# KiCad board sr99-stm32-hotswap.kicad_pcb (continued)
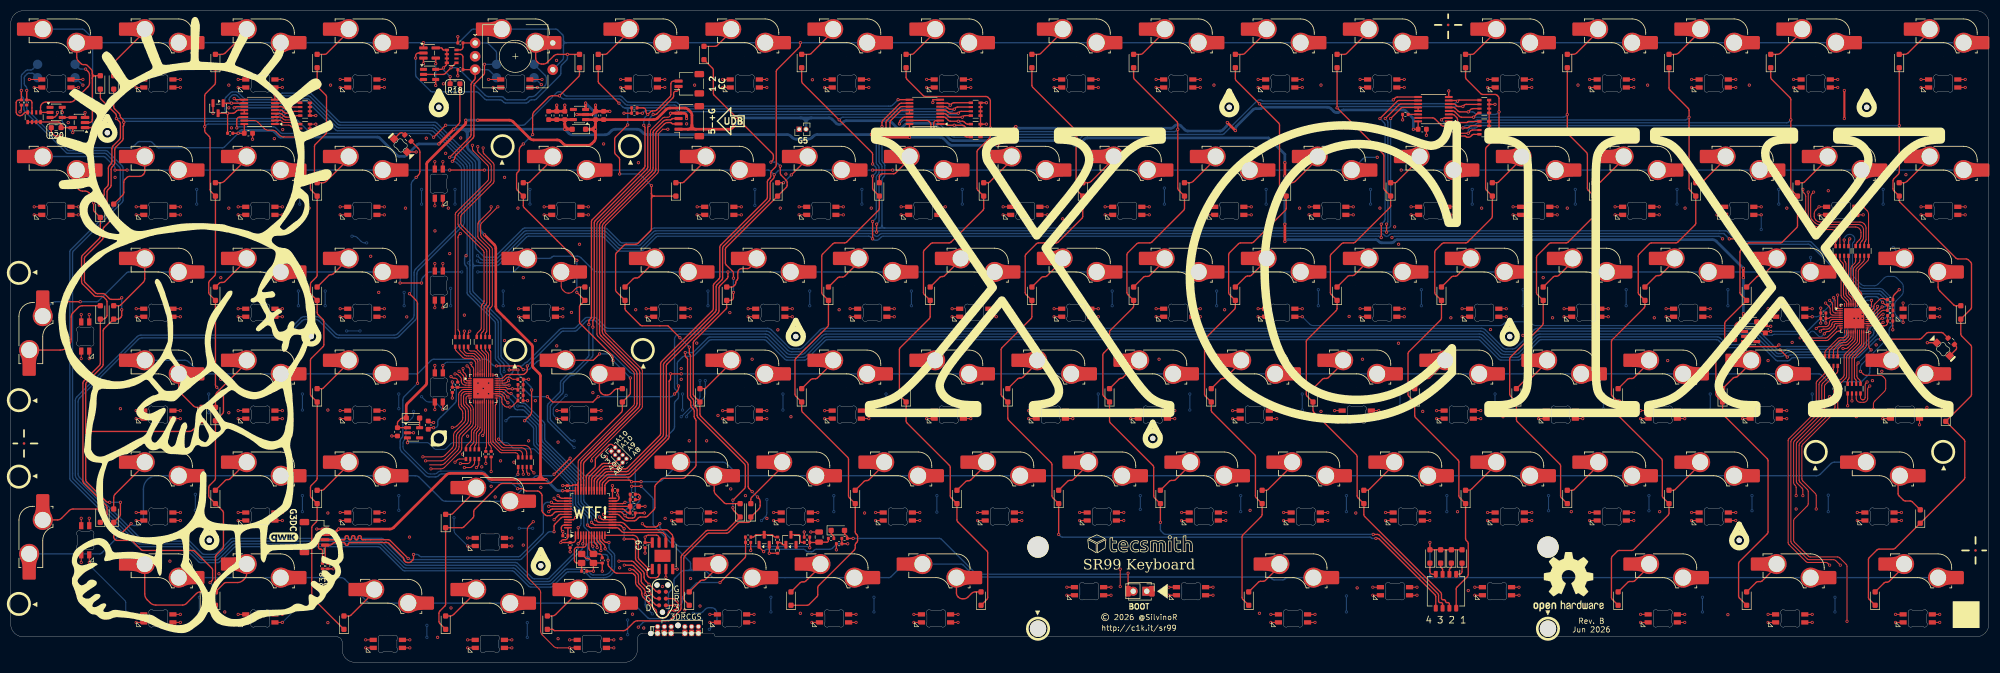
[diagram p0: board, top side]
## Routing (per net, layer and track width the routed paths; a pad name or vN(x,y) marks a point on that pad's centre or on a via; arc(x,y) is an arc through that point) (continued)
  In1.Cu w0.4: 332.69,29.4 334.24,29.4 334.24,29.4 ; 332.69,29.4 323.81,29.4 arc(323.61,29.36) 323.45,29.25 v1(322.2,28.01) 320.95,29.25 arc(320.79,29.36) 320.59,29.4 304.76,29.4 arc(304.56,29.36) 304.4,29.25 v1(303.15,28.01) 301.9,29.25 arc(301.74,29.36) 301.54,29.4 285.71,29.4 arc(285.51,29.36) 285.35,29.25 v1(284.1,28.01) 282.85,29.25 arc(282.69,29.36) 282.49,29.4 266.66,29.4 arc(266.46,29.36) 266.3,29.25 v1(265.05,28.01) 263.8,29.25 arc(263.64,29.36) 263.44,29.4 247.61,29.4 arc(247.41,29.36) 247.25,29.25 v1(246,28.01) 244.75,29.25 arc(244.59,29.36) 244.39,29.4 228.56,29.4 arc(228.36,29.36) 228.2,29.25 v1(226.95,28.01) 225.7,29.25 arc(225.54,29.36) 225.34,29.4 209.51,29.4 arc(209.31,29.36) 209.15,29.25 v1(207.9,28.01) ; 332.69,29.4 arc(333.25,29.64) 333.49,30.2 ; v1(333.49,31.16) 333.49,30.2 ; 333.49,30.2 arc(333.72,29.64) 334.29,29.4 351.55,29.4 arc(351.74,29.36) 351.9,29.25 353.15,28.01 v1(353.16,28.01) ; 227.52,28.57 arc(226.95,28.34) 226.38,28.57 ; 246.57,28.57 arc(246,28.34) 245.43,28.57 ; 303.72,28.57 arc(303.15,28.34) 302.58,28.57 ; 284.67,28.57 arc(284.1,28.34) 283.53,28.57 ; 265.62,28.57 arc(265.05,28.34) 264.48,28.57 ; 322.77,28.57 arc(322.2,28.34) 321.63,28.57
  In2.Cu w0.4: v1(322.2,28.01) 322.19,28.01
BLU6: length 236.8
  Top w0.2: W89.3 v1(312.68,8.96) ; W87.3 v1(360.3,8.96) ; W90.3 v1(281.72,14.04) ; v1(339.74,18.16) 339.39,18.51 arc(339.22,18.62) 339.03,18.66 335.7,18.66 arc(335.5,18.7) 335.34,18.81 332.14,22.01 arc(332.03,22.18) 331.99,22.37 331.99,41.45 arc(332.03,41.65) 332.14,41.81 337.09,46.76 arc(337.2,46.93) 337.24,47.12 337.24,52.2 arc(337.28,52.4) 337.39,52.56 338.71,53.88 arc(338.82,54.05) 338.86,54.24 R21.5 ; W88.3 v1(336.49,8.96) ; W91.3 v1(262.67,14.04) ; W92.3 v1(243.62,8.96)
  Top w0.254: W94.3 v1(205.52,14.04) ; W93.3 v1(224.57,14.04)
  In1.Cu w0.4: 338.94,10.36 338.1,10.36 arc(337.91,10.32) 337.74,10.21 v1(336.49,8.96) 335.23,10.21 arc(335.07,10.32) 334.87,10.36 314.29,10.36 arc(314.1,10.32) 313.93,10.21 v1(312.68,8.96) 311.42,10.21 arc(311.25,10.32) 311.06,10.36 285.6,10.36 arc(285.41,10.4) 285.25,10.51 v1(281.72,14.04) 280.47,15.28 arc(280.31,15.39) 280.11,15.43 270.72,15.43 arc(270.52,15.39) 270.36,15.28 268.6,13.52 arc(268.24,13.37) 267.88,13.52 267.51,13.89 arc(267.35,14) 267.15,14.04 v1(262.67,14.04) 261.42,15.28 arc(261.26,15.39) 261.06,15.43 250.31,15.43 arc(250.12,15.39) 249.95,15.28 243.63,8.96 v1(243.62,8.96) 242.36,10.21 arc(242.2,10.32) 242,10.36 228.45,10.36 arc(228.26,10.4) 228.1,10.51 v1(224.57,14.04) 223.32,15.29 arc(223.16,15.4) 222.96,15.43 207.13,15.43 arc(206.93,15.4) 206.77,15.29 v1(205.52,14.04) ; 338.94,10.36 340.54,10.36 ; 338.94,10.36 arc(339.5,10.6) 339.74,11.16 ; 340.54,10.36 358.68,10.36 arc(358.88,10.32) 359.04,10.21 360.3,8.96 v1(360.3,8.96) ; 340.54,10.36 arc(339.97,10.6) 339.74,11.16 ; v1(339.74,18.16) 339.74,11.16 ; 337.05,9.52 arc(336.49,9.29) 335.92,9.52 ; 313.24,9.52 arc(312.68,9.29) 312.11,9.52 ; 244.18,9.52 arc(243.62,9.29) 243.05,9.52
BLU7: length 258.1
  Top w0.2: W14.3 v1(99.24,108.97) ; W12.3 v1(141.23,108.97) ; W13.3 v1(122.17,108.97) ; W11.3 v1(160.28,108.97) ; W15.3 v1(69.79,108.97) ; W10.3 v1(179.33,108.97) ; W17.3 v1(31.69,108.97) ; R31.7 87.84,61.28 arc(87.88,61.47) 87.99,61.64 88.25,61.9 arc(88.37,62.07) 88.4,62.26 88.4,66.29 arc(88.44,66.49) 88.55,66.65 88.78,66.88 arc(88.89,67.04) 88.93,67.24 88.93,76.83 arc(88.89,77.02) 88.78,77.18 84.22,81.75 arc(84.11,81.91) 84.07,82.11 84.07,83.33 arc(84.11,83.53) 84.22,83.69 90.12,89.6 arc(90.23,89.76) 90.27,89.96 90.27,92.98 arc(90.23,93.18) 90.12,93.34 88.39,95.08 arc(88.28,95.24) 88.24,95.44 v1(88.24,96.16) ; W18.3 v1(13.49,108.97) 13.43,108.91 ; W16.3 v1(50.74,108.97)
  In1.Cu w0.4: v1(13.49,108.97) 13.49,108.97 14.74,110.23 arc(14.91,110.34) 15.1,110.38 30.07,110.38 arc(30.27,110.34) 30.43,110.23 v1(31.69,108.97) 32.94,110.23 arc(33.11,110.34) 33.3,110.38 49.12,110.38 arc(49.32,110.34) 49.48,110.23 v1(50.74,108.97) 51.99,110.23 arc(52.16,110.34) 52.35,110.38 68.17,110.38 arc(68.37,110.34) 68.53,110.23 v1(69.79,108.97) 71.04,110.23 arc(71.21,110.34) 71.4,110.38 83.94,110.38 arc(84.25,110.31) 84.51,110.14 86.5,108.15 arc(86.76,107.97) 87.07,107.91 ; 87.99,108.71 v1(87.99,107.91) 87.07,107.91 ; 87.99,108.71 87.99,109.05 arc(88.05,109.35) 88.22,109.61 88.84,110.23 arc(89,110.34) 89.2,110.38 97.62,110.38 arc(97.82,110.34) 97.98,110.23 v1(99.24,108.97) 101.74,108.97 arc(101.93,109.01) 102.1,109.12 103.2,110.23 arc(103.37,110.34) 103.56,110.38 120.56,110.38 arc(120.75,110.34) 120.92,110.23 v1(122.17,108.97) 123.43,110.23 arc(123.6,110.34) 123.79,110.38 139.61,110.38 arc(139.8,110.34) 139.97,110.23 v1(141.23,108.97) 142.48,110.23 arc(142.65,110.34) 142.84,110.38 158.66,110.38 arc(158.85,110.34) 159.02,110.23 v1(160.28,108.97) 161.53,110.23 arc(161.7,110.34) 161.89,110.38 177.72,110.38 arc(177.91,110.34) 178.08,110.23 179.33,108.98 v1(179.33,108.97) ; 87.99,108.71 arc(87.75,108.15) 87.19,107.91 87.07,107.91 ; 122.74,109.54 arc(122.17,109.3) 121.61,109.54 ; 32.25,109.54 arc(31.69,109.3) 31.12,109.54 ; 70.35,109.54 arc(69.79,109.3) 69.22,109.54 ; 141.79,109.54 arc(141.23,109.3) 140.66,109.54 ; 51.3,109.54 arc(50.74,109.3) 50.17,109.54 ; 160.84,109.54 arc(160.28,109.3) 159.71,109.54
  In2.Cu w0.4: v1(87.99,107.91) 88.26,107.64 arc(88.43,107.38) 88.49,107.08 88.49,100.56 arc(88.43,100.26) 88.26,100 85.6,97.34 arc(85.43,97.08) 85.37,96.78 85.37,96.63 arc(85.43,96.32) 85.6,96.06 85.89,95.78 arc(86.15,95.6) 86.46,95.54 87.28,95.54 arc(87.59,95.6) 87.85,95.78 v1(88.24,96.16)
BLU8: length 252.2
  Top w0.2: W34.3 v1(50.74,85.16) ; W28.3 v1(193.61,85.16) ; W31.3 v1(136.46,85.16) ; W32.3 v1(107.89,85.16) ; W33.3 v1(69.79,85.16) ; W36.3 v1(12.64,85.16) ; W35.3 v1(31.69,85.16) ; W30.3 v1(155.51,85.16) ; W29.3 v1(174.56,85.16) ; R31.5 89.44,65.87 arc(89.48,66.07) 89.59,66.23 89.81,66.46 arc(89.92,66.62) 89.96,66.82 89.96,77.23 arc(89.92,77.42) 89.81,77.59 87.92,79.48 arc(87.81,79.64) 87.78,79.84 87.78,81.74 arc(87.81,81.93) 87.92,82.1 v1(90.99,85.16) ; W104.3 v1(79.21,93.6)
  In1.Cu w0.4: 77.23,86.57 71.41,86.57 arc(71.21,86.53) 71.05,86.42 v1(69.79,85.16) 68.53,86.42 arc(68.36,86.53) 68.17,86.57 52.36,86.57 arc(52.16,86.53) 52,86.42 v1(50.74,85.16) 49.48,86.42 arc(49.31,86.53) 49.12,86.57 33.31,86.57 arc(33.11,86.53) 32.95,86.42 v1(31.69,85.16) 30.43,86.42 arc(30.26,86.53) 30.07,86.57 18.34,86.57 arc(18.14,86.6) 17.98,86.71 16.97,87.72 arc(16.8,87.83) 16.61,87.87 15.56,87.87 arc(15.37,87.83) 15.2,87.72 v1(12.64,85.16) ; 77.23,86.57 78.25,86.57 ; 77.23,86.57 arc(77.59,86.71) 77.74,87.07 ; v1(79.21,93.6) 77.89,92.27 arc(77.78,92.11) 77.74,91.91 77.74,87.07 ; 91.79,86.57 106.27,86.57 arc(106.46,86.53) 106.63,86.42 v1(107.89,85.16) 109.15,86.42 arc(109.31,86.53) 109.51,86.57 v1(110.24,86.57) ; 91.79,86.57 90.19,86.57 ; 91.79,86.57 arc(91.22,86.33) 90.99,85.77 ; 90.19,86.57 78.25,86.57 ; 90.19,86.57 arc(90.75,86.33) 90.99,85.77 ; 78.25,86.57 arc(77.89,86.71) 77.74,87.07 ; v1(90.99,85.16) 90.99,85.77 ; v1(193.61,85.16) 192.35,86.42 arc(192.19,86.53) 191.99,86.57 176.18,86.57 arc(175.99,86.53) 175.82,86.42 v1(174.56,85.16) 173.3,86.42 arc(173.14,86.53) 172.94,86.57 157.13,86.57 arc(156.94,86.53) 156.77,86.42 v1(155.51,85.16) 154.25,86.42 arc(154.09,86.53) 153.89,86.57 138.08,86.57 arc(137.89,86.53) 137.72,86.42 v1(136.46,85.16) 135.2,86.42 arc(135.04,86.53) 134.84,86.57 v1(117.74,86.57) ; 137.03,85.72 arc(136.46,85.49) 135.9,85.72 ; 32.25,85.72 arc(31.69,85.49) 31.12,85.72 ; 51.3,85.72 arc(50.74,85.49) 50.17,85.72 ; 108.45,85.72 arc(107.89,85.49) 107.32,85.72 ; 175.12,85.73 arc(174.55,85.5) 173.99,85.73 ; 156.08,85.72 arc(155.51,85.49) 154.95,85.72 ; 70.35,85.72 arc(69.79,85.49) 69.22,85.72
  In2.Cu w0.4: v1(117.74,86.57) v1(110.24,86.57)
BLU9: length 254.1
  Top w0.2: W51.3 v1(69.79,66.11) ; W53.3 v1(31.69,66.11) ; W48.3 v1(145.99,66.11) ; W52.3 v1(50.74,66.11) ; W47.3 v1(165.04,66.11) ; W49.3 v1(126.94,66.11) ; v1(96.74,35.16) 96.46,35.44 arc(96.41,35.52) 96.39,35.62 R30.7 ; W105.3 v1(79.21,74.55) ; W50.3 v1(103.12,66.11) ; W46.3 v1(184.09,66.11)
  In1.Cu w0.4: 78.31,67.52 101.51,67.52 arc(101.7,67.48) 101.87,67.37 v1(103.12,66.11) 104.38,67.37 arc(104.55,67.48) 104.74,67.52 105.92,67.52 arc(106.12,67.48) 106.28,67.37 v1(107.49,66.16) ; 78.31,67.52 77.3,67.52 ; 78.31,67.52 arc(77.96,67.66) 77.81,68.02 ; 77.3,67.52 71.41,67.52 arc(71.21,67.48) 71.05,67.37 v1(69.79,66.11) 68.53,67.37 arc(68.36,67.48) 68.17,67.52 52.36,67.52 arc(52.16,67.48) 52,67.37 v1(50.74,66.11) 49.48,67.37 arc(49.31,67.48) 49.12,67.52 33.31,67.52 arc(33.11,67.48) 32.95,67.37 v1(31.69,66.11) ; 77.3,67.52 arc(77.66,67.66) 77.81,68.02 ; v1(112.74,66.16) 113.94,67.37 arc(114.11,67.48) 114.3,67.52 125.32,67.52 arc(125.51,67.48) 125.68,67.37 v1(126.94,66.11) 128.2,67.37 arc(128.36,67.48) 128.56,67.52 135.19,67.52 ; v1(184.09,66.11) 182.83,67.37 arc(182.66,67.48) 182.47,67.52 166.66,67.52 arc(166.46,67.48) 166.3,67.37 v1(165.04,66.11) 163.78,67.37 arc(163.61,67.48) 163.42,67.52 147.61,67.52 arc(147.41,67.48) 147.25,67.37 v1(145.99,66.11) 144.73,67.37 arc(144.56,67.48) 144.37,67.52 136.79,67.52 ; 135.19,67.52 136.79,67.52 ; 135.19,67.52 arc(135.75,67.28) 135.99,66.72 ; 136.79,67.52 arc(136.22,67.28) 135.99,66.72 ; v1(79.21,74.55) 78.1,73.44 arc(77.88,73.11) 77.81,72.72 77.81,68.02 ; v1(135.99,66.16) 135.99,66.72 ; 103.69,66.67 arc(103.12,66.44) 102.56,66.67 ; 165.6,66.67 arc(165.04,66.44) 164.47,66.67 ; 127.5,66.67 arc(126.94,66.44) 126.37,66.67 ; 146.55,66.67 arc(145.99,66.44) 145.42,66.67 ; 51.3,66.67 arc(50.74,66.44) 50.17,66.67 ; 70.35,66.67 arc(69.79,66.44) 69.22,66.67
  In2.Cu w0.4: v1(96.74,35.16) 96.74,35.47 arc(96.81,35.86) 97.04,36.19 97.26,36.42 arc(97.59,36.64) 97.98,36.71 118.49,36.71 arc(118.88,36.79) 119.21,37.01 124.94,42.74 arc(125.16,43.07) 125.24,43.46 v1(125.24,45.91) ; v1(128.74,52.66) 128.74,57.86 arc(128.81,58.24) 129.04,58.57 135.69,65.23 arc(135.91,65.56) 135.99,65.95 v1(135.99,66.16) ; v1(107.49,66.16) v1(112.74,66.16)
  Bottom w0.2: v1(128.74,52.66) 128.74,49.62 arc(128.7,49.43) 128.59,49.26 v1(125.24,45.91)
BLU10: length 256.2
  Top w0.2: W67.3 v1(69.79,47.06) ; W65.3 v1(141.23,47.06) ; W69.3 v1(31.69,47.06) ; W66.3 v1(110.27,47.06) ; W68.3 v1(50.74,47.06) ; W63.3 v1(179.33,47.06) ; R30.5 94.79,35.71 94.74,35.66 v1(94.74,35.16) ; W64.3 v1(160.28,47.06) ; W70.3 v1(13.17,65.02)
  Top w0.254: W106.3 v1(79.21,55.5)
  In1.Cu w0.4: 76.04,48.46 76.99,48.46 ; 76.04,48.46 74.44,48.46 ; 76.04,48.46 arc(75.47,48.23) 75.24,47.66 ; 76.99,48.46 78.59,48.46 ; 76.99,48.46 arc(77.55,48.69) 77.79,49.26 ; v1(13.17,65.02) 13.17,64.54 arc(13.21,64.34) 13.32,64.18 13.75,63.75 arc(13.91,63.64) 14.11,63.6 15.24,63.6 arc(15.43,63.56) 15.6,63.45 15.99,63.07 arc(16.1,62.9) 16.14,62.71 16.14,54.72 arc(16.17,54.52) 16.28,54.36 20.03,50.61 arc(20.14,50.45) 20.18,50.26 20.18,50 arc(20.22,49.81) 20.33,49.64 21.36,48.61 arc(21.52,48.5) 21.72,48.46 30.07,48.46 arc(30.27,48.42) 30.43,48.31 v1(31.69,47.06) 32.94,48.31 arc(33.11,48.42) 33.3,48.46 49.12,48.46 arc(49.32,48.42) 49.48,48.31 v1(50.74,47.06) 51.99,48.31 arc(52.16,48.42) 52.35,48.46 68.17,48.46 arc(68.37,48.42) 68.53,48.31 v1(69.79,47.06) 71.04,48.31 arc(71.21,48.42) 71.4,48.46 74.44,48.46 ; 74.44,48.46 arc(75,48.23) 75.24,47.66 ; v1(79.21,55.5) 78.09,54.37 arc(77.87,54.04) 77.79,53.66 77.79,49.26 ; v1(112.74,48.46) 111.88,48.46 arc(111.69,48.42) 111.52,48.31 v1(110.27,47.06) 109.01,48.31 arc(108.85,48.42) 108.66,48.46 102.65,48.46 arc(102.26,48.38) 101.94,48.16 100.96,47.19 arc(100.63,46.97) 100.24,46.89 83.92,46.89 arc(83.53,46.97) 83.21,47.19 81.77,48.62 arc(81.44,48.84) 81.05,48.92 79.94,48.92 arc(79.75,48.88) 79.58,48.77 79.42,48.61 arc(79.25,48.5) 79.06,48.46 78.59,48.46 ; 77.79,49.26 arc(78.02,48.69) 78.59,48.46 ; v1(75.24,46.91) 75.24,47.66 ; v1(120.49,48.46) 120.49,48.45 123.73,45.21 arc(124.06,44.99) 124.45,44.91 129.15,44.91 arc(129.54,44.99) 129.87,45.21 132.83,48.16 arc(133.16,48.38) 133.55,48.46 139.61,48.46 arc(139.81,48.42) 139.97,48.31 v1(141.23,47.06) 142.48,48.31 arc(142.64,48.42) 142.84,48.46 158.66,48.46 arc(158.86,48.42) 159.02,48.31 v1(160.28,47.06) 161.53,48.31 arc(161.69,48.42) 161.89,48.46 177.71,48.46 arc(177.91,48.42) 178.07,48.31 v1(179.33,47.06) ; 51.3,47.62 arc(50.74,47.39) 50.17,47.62 ; 160.84,47.62 arc(160.28,47.39) 159.71,47.62 ; 141.79,47.62 arc(141.23,47.39) 140.66,47.62 ; 32.25,47.62 arc(31.69,47.39) 31.12,47.62 ; 70.35,47.62 arc(69.79,47.39) 69.22,47.62 ; 110.83,47.62 arc(110.27,47.39) 109.7,47.62
  In2.Cu w0.4: v1(112.74,48.46) v1(120.49,48.46)
  Bottom w0.2: v1(94.74,35.16) 94.02,34.44 arc(93.69,34.22) 93.3,34.14 90.31,34.14 arc(89.92,34.22) 89.59,34.44 88.58,35.45 arc(88.25,35.67) 87.86,35.75 80.31,35.75 arc(80.02,35.69) 79.78,35.53 79.68,35.44 arc(79.44,35.27) 79.14,35.21 78.37,35.21 arc(77.98,35.29) 77.65,35.51 73.57,39.59 arc(73.35,39.92) 73.27,40.31 73.27,41.01 arc(73.33,41.31) 73.49,41.55 73.59,41.65 arc(73.75,41.89) 73.81,42.19 73.81,44.09 arc(73.89,44.48) 74.11,44.81 74.94,45.64 arc(75.16,45.97) 75.24,46.36 v1(75.24,46.91)
BLU11: length 212
  Top w0.2: v1(84.74,36.41) 85.78,36.41 arc(85.97,36.45) 86.14,36.56 86.49,36.91 arc(86.6,37.08) 86.64,37.27 R27.7 ; W79.3 v1(188.85,28.01) ; W84.3 v1(69.79,28.01) ; W83.3 v1(93.6,23.25) ; W86.3 v1(31.69,28.01) ; W85.3 v1(50.74,28.01) ; W81.3 v1(150.75,28.01) ; 168.41,28.01 v1(169.8,28.01)
  Top w0.254: W82.3 v1(131.7,28.01)
  In1.Cu w0.4: 79.29,24.64 91.99,24.64 arc(92.19,24.6) 92.35,24.49 v1(93.6,23.25) 99.24,23.25 arc(99.63,23.17) 99.96,22.95 103.07,19.84 arc(103.4,19.62) 103.79,19.54 109.12,19.54 arc(109.51,19.46) 109.84,19.24 112.7,16.38 arc(113.03,16.16) 113.41,16.09 116.74,16.09 arc(117.13,16.16) 117.46,16.38 119.69,18.61 arc(119.91,18.94) 119.99,19.33 119.99,26.49 arc(120.06,26.88) 120.29,27.21 122.19,29.11 arc(122.52,29.33) 122.91,29.41 129.88,29.41 arc(130.26,29.33) 130.59,29.11 v1(131.7,28.01) 135.12,28.01 arc(135.32,28.05) 135.48,28.16 136.58,29.25 arc(136.74,29.36) 136.94,29.4 149.14,29.4 arc(149.34,29.36) 149.5,29.25 v1(150.75,28.01) 152,29.25 arc(152.16,29.36) 152.36,29.4 168.19,29.4 arc(168.39,29.36) 168.55,29.25 v1(169.8,28.01) 171.05,29.25 arc(171.21,29.36) 171.41,29.4 187.24,29.4 arc(187.44,29.36) 187.6,29.25 v1(188.85,28.01) ; 79.29,24.64 77.69,24.64 ; 79.29,24.64 arc(78.72,24.88) 78.49,25.44 ; 77.69,24.64 73.36,24.64 arc(73.17,24.68) 73.01,24.79 v1(69.79,28.01) 68.54,29.25 arc(68.38,29.36) 68.18,29.4 52.34,29.4 arc(52.15,29.36) 51.98,29.25 v1(50.74,28.01) 49.49,29.25 arc(49.33,29.36) 49.13,29.4 33.29,29.4 arc(33.1,29.36) 32.93,29.25 v1(31.69,28.01) ; 77.69,24.64 arc(78.25,24.88) 78.49,25.44 ; 78.49,25.44 78.49,29.74 arc(78.56,30.13) 78.79,30.46 v1(84.74,36.41) ; 51.3,28.57 arc(50.74,28.34) 50.17,28.57 ; 151.32,28.57 arc(150.75,28.34) 150.18,28.57 ; 170.37,28.57 arc(169.8,28.34) 169.23,28.57
BLU12: length 250.6
  Top w0.2: W97.3 v1(138.84,8.96) ; W102.3 v1(31.69,8.96) ; W99.3 v1(93.6,4.19) ; W103.3 v1(13.17,26.92) ; W96.3 v1(157.89,8.96) ; v1(82.99,37.41) 83.44,37.86 arc(83.6,37.97) 83.8,38.01 R27.5 ; W98.3 v1(112.65,4.19) ; W100.3 v1(74.55,4.19) ; W95.3 v1(176.94,8.96) ; W101.3 v1(50.74,8.96)
  In1.Cu w0.4: 79.54,5.6 91.98,5.6 arc(92.18,5.56) 92.34,5.45 v1(93.6,4.19) 94.86,5.45 arc(95.02,5.56) 95.22,5.6 111.03,5.6 arc(111.22,5.56) 111.39,5.45 112.65,4.19 v1(112.65,4.19) 116.77,8.31 arc(116.93,8.56) 116.99,8.85 116.99,9.44 arc(117.05,9.73) 117.22,9.98 119.04,11.8 arc(119.29,11.97) 119.58,12.03 120.17,12.03 arc(120.46,12.09) 120.71,12.25 121.22,12.76 arc(121.38,12.87) 121.58,12.91 127.28,12.91 arc(127.47,12.87) 127.64,12.76 129.89,10.51 arc(130.05,10.4) 130.25,10.36 137.23,10.36 arc(137.42,10.32) 137.59,10.21 v1(138.84,8.96) 140.1,10.21 arc(140.26,10.32) 140.46,10.36 156.28,10.36 arc(156.47,10.32) 156.64,10.21 v1(157.89,8.96) 159.15,10.21 arc(159.31,10.32) 159.51,10.36 175.33,10.36 arc(175.52,10.32) 175.69,10.21 v1(176.94,8.96) ; 79.54,5.6 77.94,5.6 ; 79.54,5.6 arc(78.97,5.84) 78.74,6.4 ; 77.94,5.6 76.17,5.6 arc(75.97,5.56) 75.81,5.45 v1(74.55,4.19) 73.29,5.45 arc(73.13,5.56) 72.93,5.6 64.68,5.6 arc(64.48,5.64) 64.32,5.75 61.26,8.81 arc(61.1,8.92) 60.9,8.96 v1(50.74,8.96) 49.48,10.21 arc(49.32,10.32) 49.12,10.36 33.3,10.36 arc(33.11,10.32) 32.94,10.21 v1(31.69,8.96) 30.43,10.21 arc(30.27,10.32) 30.07,10.36 21.75,10.36 arc(21.56,10.4) 21.39,10.51 17.39,14.51 arc(17.22,14.62) 17.03,14.66 15.95,14.66 arc(15.75,14.7) 15.59,14.81 11.92,18.48 arc(11.81,18.65) 11.77,18.84 11.77,25.3 arc(11.81,25.5) 11.92,25.66 13.17,26.92 v1(13.17,26.92) ; 77.94,5.6 arc(78.5,5.84) 78.74,6.4 ; v1(76.49,25.91) 76.49,30.49 arc(76.56,30.88) 76.79,31.21 v1(82.99,37.41) ; v1(78.74,7.66) 78.74,6.4 ; 158.46,9.52 arc(157.89,9.29) 157.33,9.52 ; 94.17,4.76 arc(93.6,4.53) 93.03,4.76 ; 32.25,9.52 arc(31.69,9.29) 31.12,9.52 ; 75.12,4.76 arc(74.55,4.53) 73.98,4.76 ; 113.22,4.76 arc(112.65,4.53) 112.08,4.76 ; 139.41,9.52 arc(138.84,9.29) 138.28,9.52
  In2.Cu w0.4: v1(78.74,7.66) 78.74,17.41 76.49,19.66 v1(76.49,25.91)
BOOT0: length 55.8
  Top w0.254: v1(117.99,25.91) 118.45,25.45 arc(118.61,25.34) 118.81,25.3 120.42,25.3 arc(120.61,25.34) 120.78,25.45 v1(121.24,25.91) ; R10.2 150.94,22.41 C4.2 152.47,22.46 arc(152.65,22.54) 152.73,22.72 R8.2 ; R10.2 149.25,23.4 R9.2 ; R10.2 v1(149.25,21.41) ; U1.45 105.12,26.66 v1(105.51,27.05)
  In2.Cu w0.508: v1(105.51,27.05) 106.75,25.8 arc(106.86,25.64) 106.9,25.45 106.9,25.42 arc(107.12,24.89) 107.66,24.66 108.42,24.66 arc(108.71,24.72) 108.96,24.89 109.76,25.69 arc(110.01,25.85) 110.3,25.91 v1(117.99,25.91)
  Bottom w0.254: v1(149.25,21.41) 149.15,21.51 arc(148.99,21.62) 148.79,21.66 124.96,21.66 arc(124.76,21.69) 124.6,21.8 121.39,25.02 arc(121.28,25.18) 121.24,25.38 v1(121.24,25.91)
COL0: length 211.3
  Top w0.254: D3.1 v1(352.74,100.35) 352.74,91.62 arc(352.7,91.43) 352.59,91.26 351.72,90.4 arc(351.61,90.23) 351.57,90.04 351.57,88.54 arc(351.61,88.34) 351.72,88.18 D21.1 352.74,86.37 arc(352.78,86.18) 352.89,86.01 363.34,75.56 arc(363.5,75.45) 363.7,75.41 365.28,75.41 arc(365.47,75.37) 365.64,75.26 366.09,74.81 arc(366.2,74.65) 366.24,74.45 366.24,66.37 arc(366.2,66.18) 366.09,66.01 D39.1 364.24,61.37 arc(364.28,61.18) 364.39,61.01 366.09,59.31 arc(366.2,59.15) 366.24,58.95 366.24,50.08 arc(366.2,49.88) 366.09,49.72 D61.1 364.84,41.65 arc(364.95,41.48) 364.99,41.29 364.99,34.54 arc(364.95,34.35) 364.84,34.18 D77.1 351.97,21.31 arc(351.8,21.2) 351.61,21.16 348.95,21.16 arc(348.75,21.12) 348.59,21.01 347.14,19.56 arc(347.03,19.4) 346.99,19.2 346.99,12.12 arc(347.03,11.93) 347.14,11.76 D94.1 ; R4.7 273.05,99.51 arc(272.85,99.47) 272.69,99.36 v1(272.24,98.91) 270.45,98.91 arc(270.25,98.95) 270.09,99.06 268.75,100.4 arc(268.64,100.57) 268.6,100.76 U2.1
  Bottom w0.254: v1(272.24,98.91) 272.24,99.36 arc(272.39,99.72) 272.75,99.86 273.45,99.86 arc(273.65,99.9) 273.81,100.01 274,100.2 arc(274.16,100.31) 274.36,100.35 v1(352.74,100.35)
COL1: length 191.3
  Top w0.254: v1(267.24,101.41) 267.46,101.64 arc(267.63,101.75) 267.82,101.79 U2.2 ; v1(271.24,99.91) 272.03,99.91 arc(272.22,99.95) 272.39,100.06 272.49,100.16 arc(272.65,100.27) 272.85,100.31 R4.6 ; D95.1 322.89,12.01 arc(322.78,12.18) 322.74,12.37 322.74,18.45 arc(322.78,18.65) 322.89,18.81 328.09,24.01 arc(328.2,24.18) 328.24,24.37 328.24,37.7 arc(328.2,37.9) 328.09,38.06 319.89,46.26 arc(319.78,46.43) 319.74,46.62 D62.1 318.64,49.76 arc(318.53,49.93) 318.49,50.12 318.49,56.71 arc(318.53,56.9) 318.64,57.07 320,58.43 arc(320.11,58.59) 320.15,58.79 320.15,63.36 arc(320.19,63.56) 320.3,63.72 D40.1 323.14,68.76 arc(323.03,68.93) 322.99,69.12 322.99,76.7 arc(323.03,76.9) 323.14,77.06 324.34,78.26 arc(324.5,78.37) 324.7,78.41 330.53,78.41 arc(330.72,78.45) 330.89,78.56 333.59,81.26 arc(333.7,81.43) 333.74,81.62 D22.1 332.64,88.26 arc(332.53,88.43) 332.49,88.62 v1(332.49,101.41) 332.49,105.2 arc(332.45,105.4) 332.34,105.56 328.89,109.01 arc(328.78,109.18) 328.74,109.37 D4.1
  Bottom w0.254: v1(332.49,101.41) 332.09,101.02 arc(331.93,100.91) 331.73,100.87 274.14,100.87 arc(273.94,100.83) 273.78,100.72 273.6,100.54 arc(273.43,100.43) 273.24,100.39 271.92,100.39 arc(271.73,100.35) 271.56,100.24 v1(271.24,99.91) 268.95,99.91 arc(268.75,99.95) 268.59,100.06 v1(267.24,101.41)
COL2: length 174.1
  Top w0.254: R4.5 272.34,101.11 arc(272.25,101.09) 272.16,101.04 272.11,100.99 arc(272.03,100.93) 271.93,100.91 v1(270.24,100.91) 270.24,101.49 arc(270.2,101.68) 270.09,101.85 269.65,102.29 arc(269.48,102.4) 269.29,102.44 U2.3 ; D5.1 309.74,107.37 arc(309.78,107.18) 309.89,107.01 313.34,103.56 arc(313.45,103.4) 313.49,103.2 v1(313.49,101.91) 313.49,88.62 arc(313.53,88.43) 313.64,88.26 D23.1 314.74,82.12 arc(314.7,81.93) 314.59,81.76 311.39,78.56 arc(311.22,78.45) 311.03,78.41 306.45,78.41 arc(306.25,78.37) 306.09,78.26 304.14,76.31 arc(304.03,76.15) 303.99,75.95 303.99,69.12 arc(304.03,68.93) 304.14,68.76 D41.1 305.24,66.62 arc(305.2,66.43) 305.09,66.26 299.14,60.31 arc(299.03,60.15) 298.99,59.95 298.99,50.12 arc(299.03,49.93) 299.14,49.76 D63.1 300.24,46.37 arc(300.28,46.18) 300.39,46.01 308.34,38.06 arc(308.45,37.9) 308.49,37.7 308.49,31.12 arc(308.53,30.93) 308.64,30.76 D78.1 309.74,27.87 arc(309.7,27.68) 309.59,27.51 303.14,21.06 arc(302.97,20.95) 302.78,20.91 300.45,20.91 arc(300.25,20.87) 300.09,20.76 299.14,19.81 arc(299.03,19.65) 298.99,19.45 298.99,12.12 arc(299.03,11.93) 299.14,11.76 D96.1
  Bottom w0.254: v1(270.24,100.91) 273.02,100.91 arc(273.21,100.95) 273.38,101.06 273.56,101.24 arc(273.72,101.35) 273.92,101.39 312.75,101.39 arc(312.95,101.43) 313.11,101.54 v1(313.49,101.91)
COL3: length 121.4
  Top w0.254: U2.4 269.37,103.09 arc(269.56,103.05) 269.73,102.94 270.6,102.06 arc(270.77,101.95) 270.96,101.91 v1(273.24,101.91) 273.89,102.56 arc(274.05,102.67) 274.25,102.71 R1.8 ; D6.1 v1(290.74,102.41) 290.74,99.12 arc(290.78,98.93) 290.89,98.76 294.34,95.31 arc(294.45,95.15) 294.49,94.95 294.49,88.62 arc(294.53,88.43) 294.64,88.26 D24.1 295.74,83.62 arc(295.7,83.43) 295.59,83.26 290.89,78.56 arc(290.72,78.45) 290.53,78.41 287.7,78.41 arc(287.5,78.37) 287.34,78.26 285.14,76.06 arc(285.03,75.9) 284.99,75.7 284.99,69.12 arc(285.03,68.93) 285.14,68.76 D42.1 286.24,63.37 arc(286.2,63.18) 286.09,63.01 280.14,57.06 arc(280.03,56.9) 279.99,56.7 279.99,50.12 arc(280.03,49.93) 280.14,49.76 D64.1 281.24,45.37 arc(281.28,45.18) 281.39,45.01 289.34,37.06 arc(289.45,36.9) 289.49,36.7 289.49,31.12 arc(289.53,30.93) 289.64,30.76 D79.1
  Bottom w0.254: v1(273.24,101.91) 290.03,101.91 arc(290.22,101.95) 290.39,102.06 v1(290.74,102.41)
COL4: length 134.5
  Top w0.254: SW71.8 269.99,13.7 arc(270.02,13.9) 270.14,14.06 272.09,16.01 arc(272.2,16.18) 272.24,16.37 272.24,22.2 arc(272.2,22.4) 272.09,22.56 271.89,22.76 arc(271.78,22.93) 271.74,23.12 D80.1 270.64,30.76 arc(270.53,30.93) 270.49,31.12 270.49,37.45 arc(270.45,37.65) 270.34,37.81 262.39,45.76 arc(262.28,45.93) 262.24,46.12 D65.1 261.14,49.76 arc(261.03,49.93) 260.99,50.12 260.99,57.7 arc(261.03,57.9) 261.14,58.06 267.09,64.01 arc(267.2,64.18) 267.24,64.37 D43.1 266.14,68.76 arc(266.03,68.93) 265.99,69.12 265.99,76.7 arc(266.03,76.9) 266.14,77.06 267.34,78.26 arc(267.5,78.37) 267.7,78.41 271.78,78.41 arc(271.97,78.45) 272.14,78.56 276.59,83.01 arc(276.7,83.18) 276.74,83.37 D25.1 275.64,88.26 arc(275.53,88.43) 275.49,88.62 275.49,95.95 arc(275.53,96.15) 275.64,96.31 277.84,98.51 arc(277.95,98.68) 277.99,98.87 v1(277.99,102.91) 277.99,105.45 arc(277.95,105.65) 277.84,105.81 277.64,106.01 arc(277.47,106.12) 277.28,106.16 274.95,106.16 arc(274.75,106.2) 274.59,106.31 271.89,109.01 arc(271.78,109.18) 271.74,109.37 D7.1 ; R1.7 273.05,103.51 arc(272.85,103.47) 272.69,103.36 v1(272.24,102.91) 270.69,102.91 arc(270.5,102.95) 270.33,103.06 269.8,103.59 arc(269.64,103.7) 269.44,103.74 U2.5
  Bottom w0.254: v1(277.99,102.91) 277.66,102.58 arc(277.49,102.47) 277.3,102.43 273.92,102.43 arc(273.73,102.47) 273.57,102.58 273.38,102.76 arc(273.22,102.87) 273.02,102.91 v1(272.24,102.91)
COL5: length 154.9
  Top w0.254: D8.1 v1(247.74,103.66) 256.34,95.06 arc(256.45,94.9) 256.49,94.7 256.49,88.62 arc(256.53,88.43) 256.64,88.26 D26.1 257.74,85.37 arc(257.7,85.18) 257.59,85.01 251.14,78.56 arc(250.97,78.45) 250.78,78.41 248.95,78.41 arc(248.75,78.37) 248.59,78.26 246.64,76.31 arc(246.53,76.15) 246.49,75.95 246.49,69.12 arc(246.53,68.93) 246.64,68.76 D44.1 247.74,66.12 arc(247.7,65.93) 247.59,65.76 242.14,60.31 arc(242.03,60.15) 241.99,59.95 241.99,50.12 arc(242.03,49.93) 242.14,49.76 D66.1 243.24,47.12 arc(243.28,46.93) 243.39,46.76 251.34,38.81 arc(251.45,38.65) 251.49,38.45 251.49,31.12 arc(251.53,30.93) 251.64,30.76 D81.1 252.74,27.62 arc(252.78,27.43) 252.89,27.26 267.09,13.06 arc(267.2,12.9) 267.24,12.7 267.24,11.96 arc(267.31,11.78) 267.49,11.7 267.73,11.7 arc(267.91,11.63) 267.99,11.45 267.99,11.42 arc(268.06,11.24) 268.24,11.16 268.46,11.16 arc(268.64,11.09) 268.72,10.91 SW71.7 ; R1.6 271.85,104.31 arc(271.65,104.27) 271.49,104.16 v1(271.24,103.91) 270.41,103.91 arc(270.22,103.95) 270.05,104.06 269.88,104.24 arc(269.71,104.35) 269.52,104.39 U2.6
  Bottom w0.254: v1(247.74,103.66) 247.84,103.76 arc(248,103.87) 248.2,103.91 v1(271.24,103.91)
